# Allegro board MCU-OLD.brd
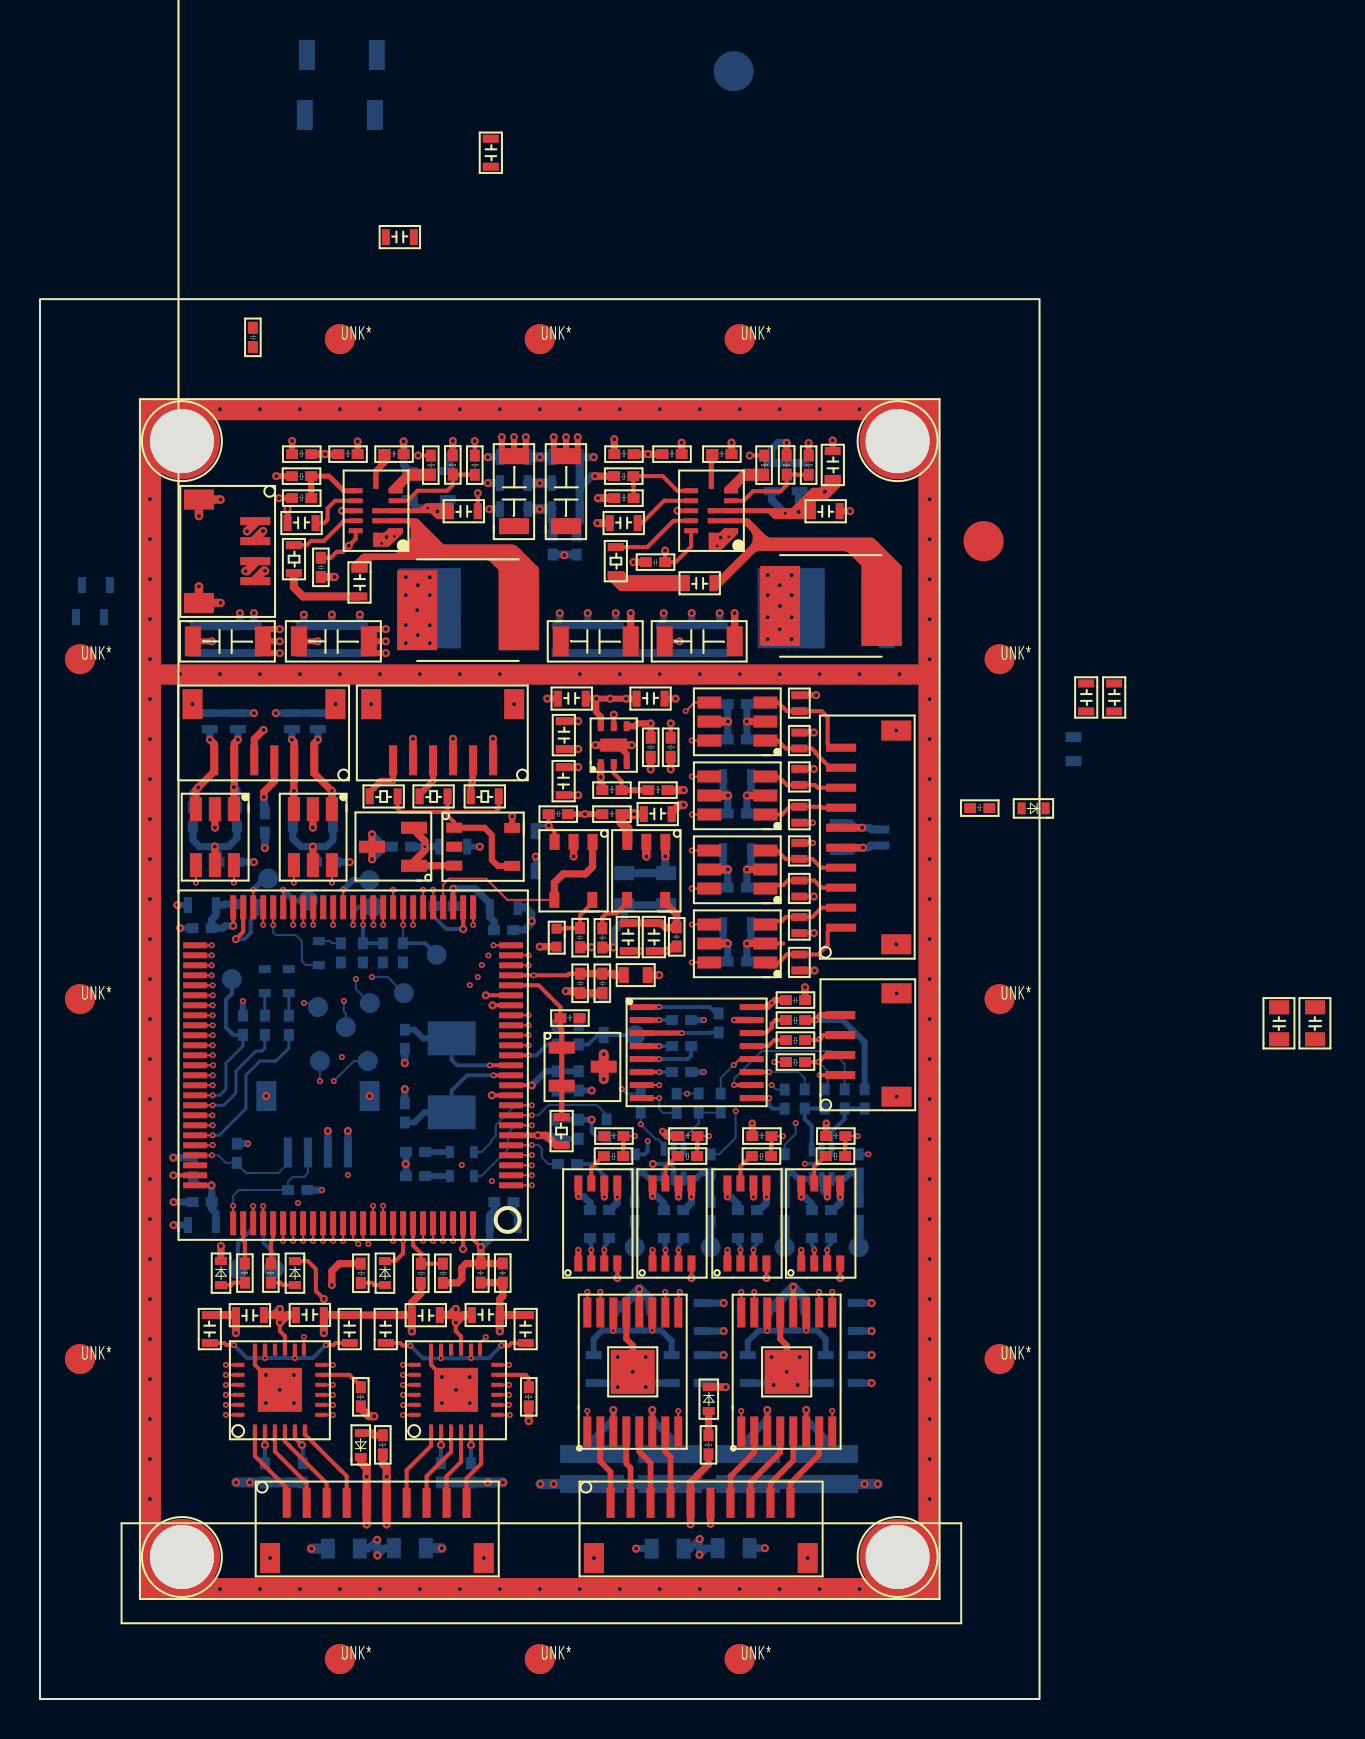
[diagram p0: board, top side]
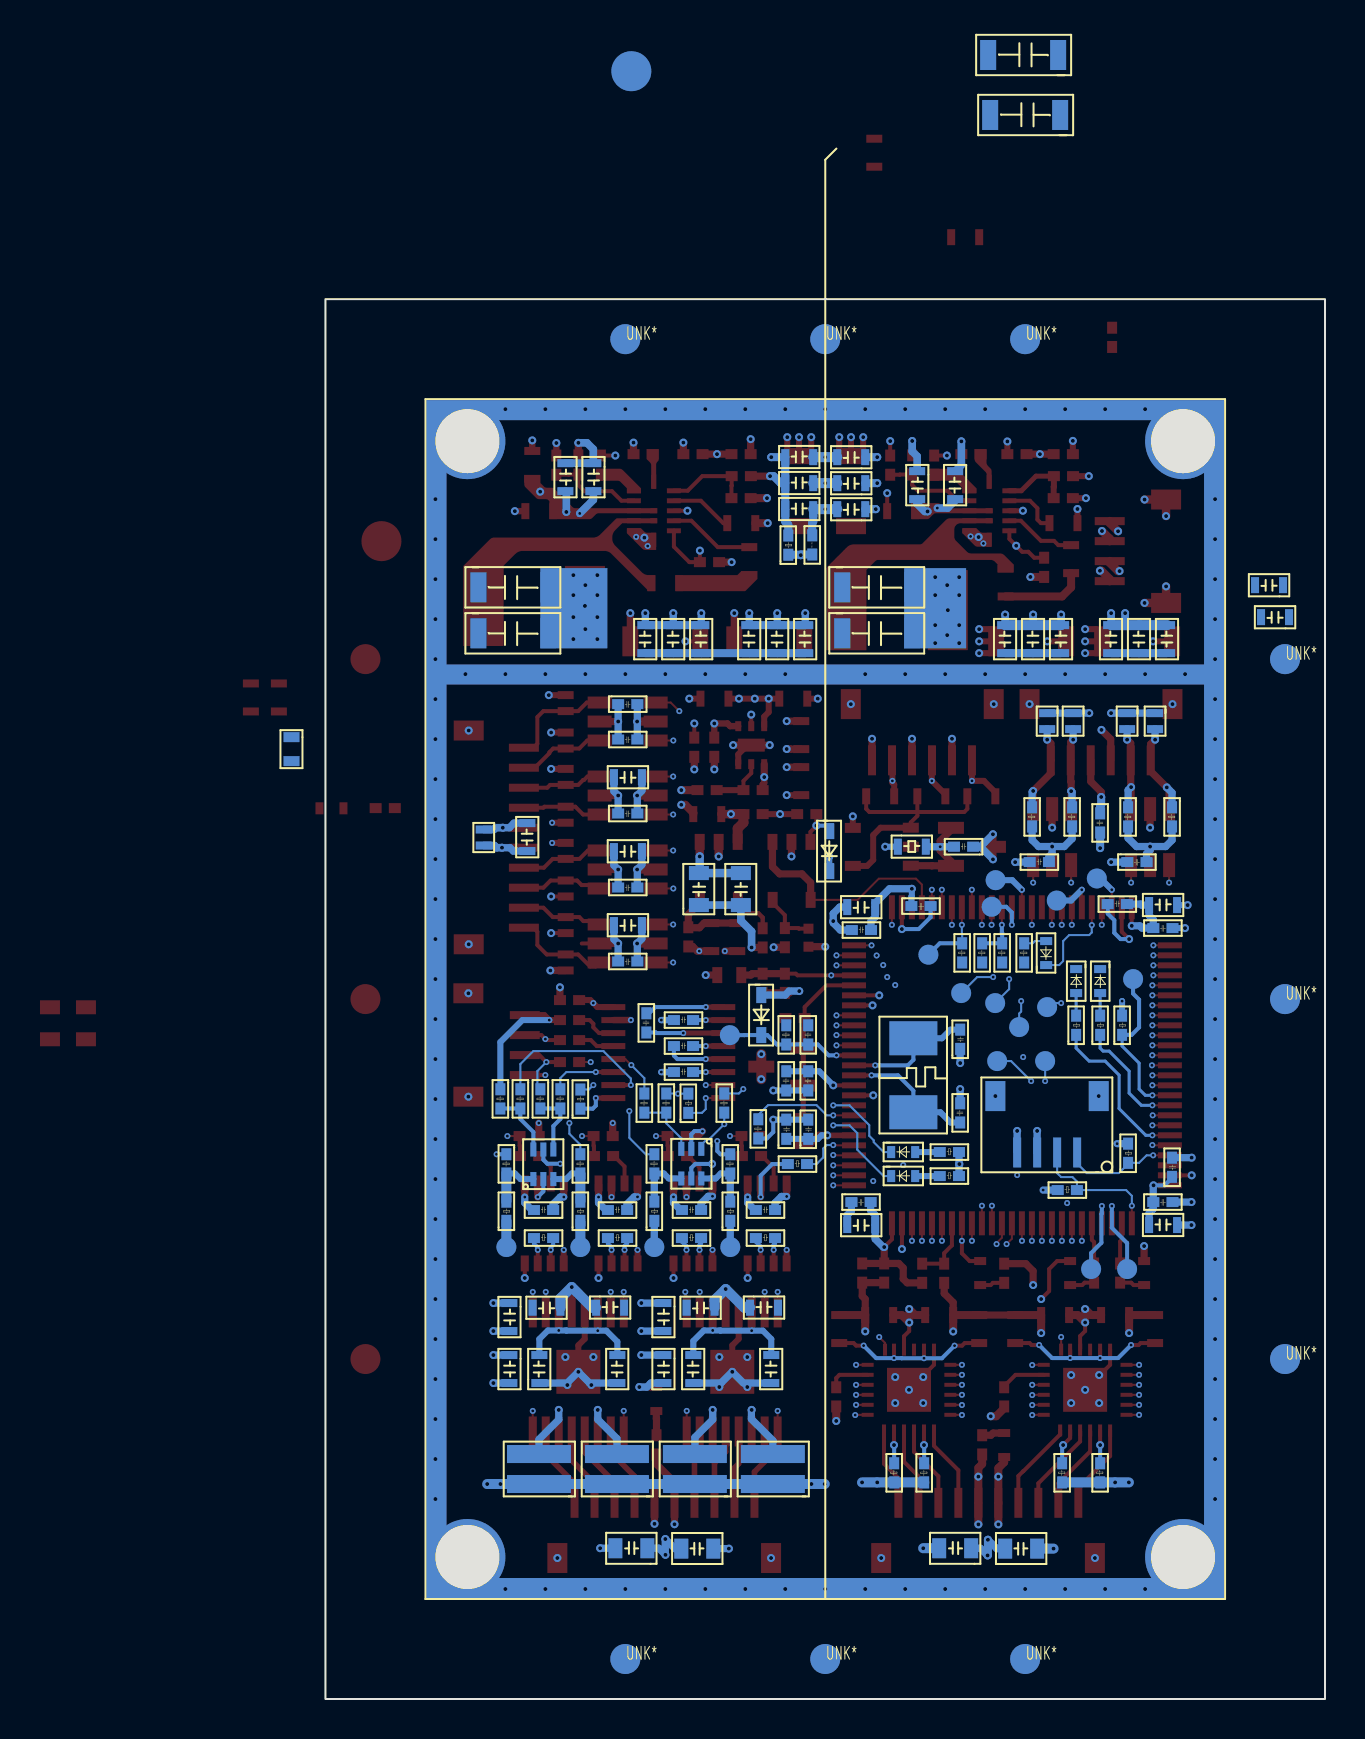
[diagram p1: board, bottom side, seen from below]

Outline 50 x 70 mm; copper layers: TOP, GND-L2, SIGNAL-L3, SIGNAL-L4, GND-L5, PWR-L6, SIGNAL-L7, SIGNAL-L8, GND-L9, BOTTOM. Coordinates in mm from the lower left corner of the outline.
Outline path: rectangle 0,0 50,70

## Design rules (mm)
constraint set DEFAULT: min track width 0.1
net group M1_I_ADC: nets M1_I_ADC N10404
net group M2_I_ADC: nets M2_I_ADC N11136
net group M3_I_ADC: nets M3_I_ADC N28759
net group M4_I_ADC: nets M4_I_ADC N28731
net group MCU_LED1: nets MCU_LED1 N7936310
net group MCU_LED2: nets MCU_LED2 N7936621
net group MCU_LED3: nets MCU_LED3 N7936920
net group MCU_LED4: nets MCU_LED4 N7937230
net group MG8: nets M4_PWM+ M4_PWM-
net group MG9: nets M3_PWM+ M3_PWM-
net group MG10: nets M2_PWM+ M2_PWM-
net group MG11: nets M1_PWM+ M1_PWM-
net group N07800: nets N07800 N07815
net group N08892: nets N08892 N08904
net group N28299: nets N28299 N28303
net group N28307: nets N28307 N28311
net group N7119824: nets N7119824 N7119964
net group N7119928: nets N7119928 N7120000
net group N8196950: nets N8196950 N8196956
net group N8197004: nets N8197004 N8197018
net group N8197074: nets N8197074 N8197078
net group N8197176: nets N8197176 N8197194
net group 232_TXD: nets 232_TXD N7132401 N7303091 N7304159
net group LASER_TXD: nets LASER_TXD N7132405 N7132819 N7303177
net group MCU_UART3_RXD: nets MCU_UART3_RXD N7120840 N7301618
net group MCU_UART3_TXD: nets MCU_UART3_TXD N7120004 N7120715
net group MCU_UART4_RXD: nets MCU_UART4_RXD N7121019 N7301693
net group MCU_UART4_TXD: nets MCU_UART4_TXD N7121024 N7301681
net group MG12: nets MCU_SPI2_MISO MCU_SPI2_MOSI MCU_SPI2_NSS MCU_SPI2_SCK
net group PHY_UART_RX1: nets N7132397 N7303129 N7304177 PHY_UART_RX1
net group PT100-1: nets N57288 PT100-1 PT100-2 PT100-3
net group TTL_TXD: nets N7132409 N7132815 N7303150 TTL_TXD

## Placement (name value [footprint] x y rotation side)
C61  22uF/50V  [C1206]  27.1 58.8 90 top
C62  22uF/50V  [C1206]  13.4 80 0 bottom
C63  22uF/50V  [C1206]  24.5 58.8 90 top
C64  22uF/50V  [C1206]  13.5 83 0 bottom
C69  15nF  [C0402]  34.6 62.5 180 top
C70  15nF  [C0402]  18.2 62.5 180 top
C75  100pF/25V  [C0603]  28.4 58.4 0 top
C76  150pF/25V  [C0603]  12.28 58.4 0 top
C79  0.1uF  [C0603]  18.1 59.9 90 bottom
C80  0.1uF  [C0402]  10.9 67.6 90 top
C84  1uF/10V  [C0402]  30.3 56.6 0 top
C85  1uF/10V  [C0402]  14.3 56.1 90 top
C88  0.1uF  [C0603]  33.8 56.2 180 top
C89  0.1uF  [C0603]  15.58 56.63 270 top
C103  22uF/25V  [C1206]  26.2 52.1 0 top
C104  22uF/25V  [C1206]  7.8 52.1 0 top
C115  22uF/25V  [C1206]  31.4 52.1 0 top
C116  0.1uF/25V  [C0603]  14.2 52.2 90 bottom
C117  22uF/25V  [C1206]  13.1 52.1 0 top
C124  22uF/25V  [C1206]  24 52.5 180 bottom
C126  0.1uF/25V  [C0603]  53.33 50.88 270 top
C127  0.1uF/25V  [C0603]  22.15 78.12 270 top
C130  0.1uF  [C0603]  29.74 49.62 0 top
C131  0.1uF  [C0603]  17.2 72.7 0 top
C132  0.1uF  [C0603]  2 56.1 0 bottom
C136  0.1uF  [C0402]  8.6 24.6 180 bottom
C137  10uF  [C0603]  8.9 23.3 180 bottom
C138  0.1uF  [C0402]  8.6 38.3 180 bottom
C139  1uF  [C0603]  29 38.9 270 top
C141  0.1uF  [C0402]  27.27 35.3 90 top
C142  0.1uF  [C0402]  28.38 35.3 90 top
C153  0.1uF  [C0402]  22.9 21.79 270 top
C154  0.1uF  [C0402]  26.41 44.5 180 top
C155  1uF  [C0603]  30.1 43.85 0 top
C156  10uF  [C0603]  8.9 39.3 180 bottom
C157  0.01uF  [C0402]  28.38 37.57 90 top
C158  0.1uF  [C0402]  9.9 40 0 bottom
C159  1uF  [C0603]  30.3 38.9 270 top
C160  0.1uF  [C0402]  29.1 44.5 180 top
C161  10uF  [C0603]  22.4 40 0 bottom
C162  0.1uF  [C0402]  31.6 38.6 270 top
C163  0.1uF  [C0402]  26.77 38.56 270 top
C166  2.2uF  [C0603]  31.2 15.7 90 bottom
C167  2.2uF  [C0603]  27.3 15.7 90 bottom
C168  0.1uF  [C0402]  22.7 38.7 0 bottom
C169  2.2uF  [C0603]  35 15.7 90 bottom
C170  2.2uF  [C0603]  38.9 15.7 90 bottom
C174  10uF  [C0603]  20.1 19.6 180 top
C176  0.1uF  [C0402]  25.6 28 90 bottom
C177  0.1uF  [C0603]  21.5 18.8 0 top
C178  0.1uF  [C0603]  33.5 19.9 270 bottom
C179  4.7uF  [C0603]  28.86 19.17 180 bottom
C180  4.7uF  [C0603]  36.56 19.17 180 bottom
C181  0.1uF  [C0603]  41.2 19.9 270 bottom
C185  2.2uF  [C0603]  17.7 17.7 90 top
C187  4.7uF  [C0603]  33.5 17.3 270 bottom
C188  4.7uF  [C0603]  41.2 17.3 270 bottom
C189  10uF  [C0603]  22.4 24.1 0 bottom
C190  2.2uF  [C0603]  24.7 17.7 90 top
C194  0.1uF  [C0603]  30.43 19.97 0 bottom
C196  0.1uF  [C0603]  38.14 19.97 0 bottom
C203  0.1uF  [C0402]  26.1 31.4 270 bottom
C364  0.1uF/50V  [C0603]  37 61.9 270 bottom
C365  0.1uF/50V  [C0603]  39.26 62.51 270 top
C366  0.1uF/50V  [C0603]  40.1 59.8 180 top
C370  0.1uF/25V  [C0603]  22.9 61.2 0 bottom
C371  0.1uF/25V  [C0603]  22.9 62.5 0 bottom
C372  0.1uF/25V  [C0603]  22.9 59.9 0 bottom
C373  0.1uF/25V  [C0603]  27.1 60.4 180 bottom
C374  0.1uF/25V  [C0603]  27.1 61.7 180 bottom
C375  0.1uF/25V  [C0603]  27.1 59.1 180 bottom
C385  0.1uF/50V  [C0603]  38.4 61.9 270 bottom
C386  0.1uF/50V  [C0603]  20.8 61.5 270 bottom
C387  0.1uF/50V  [C0603]  22 59.8 180 top
C413  0.1uF/25V  [C0603]  10.3 52.2 90 bottom
C416  0.1uF/25V  [C0603]  27 52.2 90 bottom
C422  0.1uF/25V  [C0603]  7.5 52.2 90 bottom
C423  0.1uF/25V  [C0603]  25.6 52.2 90 bottom
C427  0.1uF/25V  [C0603]  28.4 52.2 90 bottom
C429  0.1uF/25V  [C0603]  1.7 54.5 0 bottom
C435  0.1uF/25V  [C0603]  33.6 52.2 90 bottom
C436  0.1uF/25V  [C0603]  32.2 52.2 90 bottom
C437  0.1uF/25V  [C0603]  30.8 52.2 90 bottom
C441  0.1uF/25V  [C0603]  15.6 52.2 90 bottom
C442  0.1uF/25V  [C0603]  12.8 52.2 90 bottom
C443  0.1uF/25V  [C0603]  8.9 52.2 90 bottom
C460  0.1uF  [C0402]  23.7 24.6 180 bottom
C461  10uF  [C0603]  51.93 50.88 270 top
C466  10uF  [C0603]  25.8 49.62 0 top
C472  0.1uF  [C0402]  17.59 42.87 0 bottom
C479  0.1uF  [C0402]  21.8 21.79 270 top
C487  0.1uF  [C0402]  27 34.3 180 top
C488  10uF  [C0603]  26.6 45.1 90 top
C492  10uF  [C0805]  64.4 32.79 90 top
C493  10uF  [C0805]  62.6 32.79 90 top
C494  10uF  [C0805]  28.6 39.5 90 bottom
C495  10uF  [C0805]  30.7 39.5 90 bottom
C503  10uF  [C0603]  25.8 49 270 top
C504  0.1uF  [C0402]  26.1 33.7 270 bottom
C513  22pF  [C0402]  18 32.5 90 bottom
C515  0.1uF  [C0402]  35.37 49.5 180 bottom
C525  0.1uF  [C0402]  27.2 31.4 270 bottom
C527  22pF  [C0402]  18.5 29.8 270 bottom
C532  0.1uF  [C0402]  26.7 28 90 bottom
C539  0.1uF  [C0402]  11.5 44.3 270 bottom
C546  0.1uF  [C0402]  20.7 39.4 180 bottom
C553  0.1uF  [C0402]  13.8 42.1 0 bottom
C566  0.1uF  [C0402]  27.5 24.7 0 bottom
C567  0.1uF  [C0402]  29.2 28.4 180 top
C568  0.1uF  [C0402]  38.6 24.7 0 bottom
C569  0.1uF  [C0402]  40.3 28.4 180 top
C570  0.1uF  [C0402]  34.9 24.7 0 bottom
C571  0.1uF  [C0402]  36.6 28.4 180 top
C572  0.1uF  [C0402]  31.2 24.7 0 bottom
C573  0.1uF  [C0402]  7.4 26.1 90 bottom
C574  0.1uF  [C0402]  32.9 28.4 180 top
C590  10uF  [C0603]  11.3 19.6 180 top
C591  0.1uF  [C0402]  37.3 34.7 0 top
C592  0.1uF  [C0603]  12.7 18.8 0 top
C594  2.2uF  [C0603]  15.9 17.7 90 top
C595  2.2uF  [C0603]  8.9 17.7 90 top
C596  0.1uF  [C0402]  34.2 34.3 270 bottom
C600  0.1uF  [C0402]  35.37 47.73 180 bottom
C601  0.1uF  [C0402]  31.6 32.9 0 bottom
C603  0.1uF  [C0402]  35.37 36.63 180 bottom
C606  0.1uF  [C0402]  9.9 41.6 180 bottom
C607  0.1uF  [C0402]  31.6 34.2 0 bottom
C609  0.1uF  [C0402]  35.37 44.03 180 bottom
C610  0.1uF  [C0402]  35.37 40.33 180 bottom
C611  0.1uF  [C0402]  31.6 31.6 0 bottom
C642  22uF  [C0805]  32.4 6.9 180 bottom
C643  22uF  [C0805]  16.2 6.9 180 bottom
C644  10uF  [C0603]  39.5 42.3 90 bottom
C645  10uF  [C0603]  34.07 46.5 0 bottom
C646  10uF  [C0603]  34.07 42.8 0 bottom
C647  10uF  [C0603]  34.07 39.1 0 bottom
C648  22uF  [C0805]  17.5 8.16 0 bottom
C649  22uF  [C0805]  33.7 8.16 0 bottom
C650  22uF/25V  [C1206]  24 54.8 180 bottom
C651  22uF/25V  [C1206]  42.2 52.5 180 bottom
C652  22uF/25V  [C1206]  42.2 54.8 180 bottom
D14  LED  [LED0402]  11.5 36.4 270 bottom
D15  LED  [LED0402]  12.7 36.4 270 bottom
D16  LED  [LED0402]  12.5 21.8 270 top
D17  LED  [LED0402]  8.8 21.8 270 top
D18  1N4148WT  [SOD-523F]  24.8 43.4 180 bottom
D19  LED  [LED0402]  13.7 36.8 90 bottom
D20  LED  [LED0402]  21.6 25.9 180 bottom
D21  LED  [LED0402]  21.6 27.1 180 bottom
D22  ESD5451X  [DF1006]  8.8 49.4 270 bottom
D24  ESD5451X  [DF1006]  42.38 43.58 270 bottom
D25  ESD5451X  [DF1006]  10.2 49.4 270 bottom
D40  1N4148WT  [SOD-523F]  28.2 35.2 180 bottom
D41  BLUE  [LED0402]  50.2 44.79 180 top
D42  BLUE  [LED0402]  33.2 15.5 270 top
D43  LED  [LED0402]  17 21.8 270 top
D44  ESD5451X  [DF1006]  38.28 43.72 90 top
D45  ESD5451X  [DF1006]  37.68 46.61 270 top
D47  ESD5451X  [DF1006]  37.68 48.43 270 top
D48  ESD5451X  [DF1006]  37.68 50.3 270 top
D49  ESD5451X  [DF1006]  38.28 36.33 90 top
D50  ESD5451X  [DF1006]  38.28 38.2 90 top
D52  ESD5451X  [DF1006]  38.28 40.03 90 top
D53  ESD5451X  [DF1006]  37.68 42.91 270 top
D54  ESD5451X  [DF1006]  12.9 49.4 270 bottom
D55  ESD5451X  [DF1006]  14.2 49.4 270 bottom
D56  BLUE  [LED0402]  16.3 12.2 90 top
J7  HEADER1x6  [SH1D0-SMD-VER-6P]  24.14 50.4 180 top
J14  HEADER-1X10  [SH1D0-SMD-VER-10P]  43.48 37.33 90 top
J15  HEADER1x6  [SH1D0-SMD-VER-6P]  15.2 50.4 180 top
J16  HEADER-1X4  [SH1D0-SMD-VER-4P]  7.3 60.4 270 top
J18  HEADER-1X10  [SH1D0-SMD-VER-10P]  11.1 6.4 0 top
J19  HEADER-1X10  [SH1D0-SMD-VER-10P]  27.3 6.4 0 top
J20  HEADER-1X4  [SH1D0-SMD-VER-4P]  10.9 30.8 0 bottom
J21  HEADER-1X4  [SH1D0-SMD-VER-4P]  43.5 29.7 90 top
L7  4.7uH/2A  [CD54-IND-2P]  42.1 57.2 180 top
L8  4.7uH/2A  [CD54-IND-2P]  23.95 56.99 180 top
L13  BLM18SP102SN1D  [FB0603]  52.1 48.3 270 bottom
L17  BLM18SP102SN1D  [FB0603]  30.6 36.6 180 top
L20  MPZ1005D330ET000  [FB0402]  25.6 38.57 270 top
NOREF  -  []  37.42 36.49 90 top
NOREF#2  -  []  34.78 34.89 90 top
NOREF#3  -  []  37.92 60.12 0 top
NOREF#4  -  []  29.4 52.1 90 top
NOREF#5  -  []  18.37 61.08 0 top
NOREF#6  -  []  11.2 49.4 90 top
NOREF#7  -  []  16.61 42.61 0 top
NOREF#8  -  []  10.5 21.32 0 top
NOREF#9  -  []  24.14 54.4 0 top
NOREF#10  -  []  66.4 32.79 90 top
NOREF#11  -  []  10.4 32.11 0 top
NOREF#12  -  []  27.1 60.4 0 top
NOREF#13  -  []  15.63 58.88 90 top
NOREF#14  -  []  43.38 43.58 90 top
NOREF#15  -  []  31.15 32.78 0 top
NOREF#16  -  []  30 52.2 90 top
NOREF#17  -  []  28.4 58.51 0 top
NOREF#18  -  []  41.2 18.11 0 top
NOREF#19  -  []  30.1 34.6 0 top
NOREF#20  -  []  28.7 59.1 90 top
NOREF#21  -  []  13.83 24.28 90 top
NOREF#22  -  []  35.08 13.38 0 top
NOREF#23  -  []  8.9 53.01 0 top
NOREF#24  -  []  39.28 40.03 90 top
NOREF#25  -  []  40.6 30.03 90 top
NOREF#26  -  []  32.4 8.15 0 top
NOREF#27  -  []  38.65 26.98 90 top
NOREF#28  -  []  21.47 43.03 0 top
NOREF#29  -  []  40.07 38.57 90 top
NOREF#30  -  []  27.17 32.88 0 top
NOREF#31  -  []  46.5 13.06 90 top
NOREF#32  -  []  38.73 33.56 90 top
NOREF#33  -  []  15.62 37.33 0 top
NOREF#34  -  []  31.27 39.96 90 top
NOREF#35  -  []  29.68 41.29 0 top
NOREF#36  -  []  20.87 39.26 0 top
NOREF#37  -  []  12.7 32.11 0 top
NOREF#38  -  []  30.75 23.28 0 top
NOREF#39  -  []  20.57 47.37 0 top
NOREF#40  -  []  24.7 15.13 0 top
NOREF#41  -  []  29.63 26.76 90 top
NOREF#42  -  []  17.4 12.73 0 top
NOREF#43  -  []  24 49.3 90 top
NOREF#44  -  []  12.6 11.33 90 top
NOREF#45  -  []  22.4 40.81 0 top
NOREF#46  -  []  37.6 61.73 0 top
NOREF#47  -  []  30.6 38.9 90 top
NOREF#48  -  []  33.42 33.83 0 top
NOREF#49  -  []  34.07 47.31 0 top
NOREF#50  -  []  17.85 24.98 0 top
NOREF#51  -  []  24.13 37.28 90 top
NOREF#52  -  []  29.37 26.98 0 top
NOREF#53  -  []  42.35 26.98 90 top
NOREF#54  -  []  38.68 42.91 90 top
NOREF#55  -  []  29.27 44.28 0 top
NOREF#56  -  []  31.34 49.62 90 top
NOREF#57  -  []  13.35 40.68 0 top
NOREF#58  -  []  32.63 21.88 90 top
NOREF#59  -  []  28.9 15.7 90 top
NOREF#60  -  []  54.93 50.88 90 top
NOREF#61  -  []  31.15 43.08 90 top
NOREF#62  -  []  24.5 61.2 90 top
NOREF#63  -  []  28.54 9.81 0 top
NOREF#64  -  []  28.7 39.5 90 top
NOREF#65  -  []  27.75 26.76 0 top
NOREF#66  -  []  33.98 28.21 90 top
NOREF#67  -  []  40.73 26.76 90 top
NOREF#68  -  []  33.7 9.41 0 top
NOREF#69  -  []  20.4 19.71 90 top
NOREF#70  -  []  39.74 19.97 90 top
NOREF#71  -  []  10.08 42.87 90 top
NOREF#72  -  []  39.28 38.2 90 top
NOREF#73  -  []  39.38 22.81 90 top
NOREF#74  -  []  32.03 19.97 90 top
NOREF#75  -  []  28.7 60.4 90 top
NOREF#76  -  []  33.45 44.28 90 top
NOREF#77  -  []  37.68 47.21 0 top
NOREF#78  -  []  39.5 43.11 0 top
NOREF#79  -  []  12.9 50 0 top
NOREF#80  -  []  10.1 25.71 0 top
NOREF#81  -  []  24.65 45.54 90 top
NOREF#82  -  []  42.2 56.4 0 top
NOREF#83  -  []  37.66 63.32 90 top
NOREF#84  -  []  35.68 48.4 0 top
NOREF#85  -  []  17.95 61.08 90 top
NOREF#86  -  []  14.02 60.76 90 top
NOREF#87  -  []  23.05 46.35 0 top
NOREF#88  -  []  38.6 61.9 90 top
NOREF#89  -  []  22.1 36.7 0 top
NOREF#90  -  []  31.02 46.01 0 top
NOREF#91  -  []  11.95 41.46 90 top
NOREF#92  -  []  30.1 32.65 90 top
NOREF#93  -  []  14.2 53.01 0 top
NOREF#94  -  []  33.69 12.73 0 top
NOREF#95  -  []  13.75 58.88 0 top
NOREF#96  -  []  27.05 21.88 0 top
NOREF#97  -  []  42.38 44.18 0 top
NOREF#98  -  []  29.22 26.78 0 top
NOREF#99  -  []  39.28 43.72 90 top
NOREF#100  -  []  28.26 60.76 0 top
NOREF#101  -  []  40.42 26.78 0 top
NOREF#102  -  []  30.46 19.17 90 top
NOREF#103  -  []  36.96 21.2 90 top
NOREF#104  -  []  12.7 19.61 0 top
NOREF#105  -  []  32.54 29.3 0 top
NOREF#106  -  []  38.85 26.76 0 top
NOREF#107  -  []  31.15 31.48 0 top
NOREF#108  -  []  27.2 52.2 90 top
NOREF#109  -  []  38.68 48.43 90 top
NOREF#110  -  []  14.77 58.23 0 top
NOREF#111  -  []  26.1 30.67 0 top
NOREF#112  -  []  38.68 46.61 90 top
NOREF#113  -  []  10.07 41.46 0 top
NOREF#114  -  []  19.62 19.71 0 top
NOREF#115  -  []  36.33 23.28 90 top
NOREF#116  -  []  35.68 22.81 90 top
NOREF#117  -  []  14.05 17.51 0 top
NOREF#118  -  []  33.02 26.78 0 top
NOREF#119  -  []  31.4 53.7 0 top
NOREF#120  -  []  12.9 19.6 90 top
NOREF#121  -  []  9.78 25.01 90 top
NOREF#122  -  []  7.8 53.7 0 top
NOREF#123  -  []  13.38 32.11 90 top
NOREF#124  -  []  19.02 60.12 0 top
NOREF#125  -  []  36.85 33.56 0 top
NOREF#126  -  []  31.57 44.28 0 top
NOREF#127  -  []  37.7 15.1 0 top
NOREF#128  -  []  37.42 40.19 90 top
NOREF#129  -  []  37.03 26.76 90 top
NOREF#130  -  []  17.85 26.18 0 top
NOREF#131  -  []  27.7 58.8 90 top
NOREF#132  -  []  28.86 19.98 0 top
NOREF#133  -  []  22.75 39.26 90 top
NOREF#134  -  []  32.2 26.03 90 top
NOREF#135  -  []  40.1 61.4 0 top
NOREF#136  -  []  35.54 36.49 0 top
NOREF#137  -  []  26.58 15.13 90 top
NOREF#138  -  []  8.52 67.29 90 top
NOREF#139  -  []  27.1 33.7 90 top
NOREF#140  -  []  26.6 40.75 0 top
NOREF#141  -  []  26.3 17.7 90 top
NOREF#142  -  []  34.45 23.28 0 top
NOREF#143  -  []  39.9 18.16 0 top
NOREF#144  -  []  38.4 7.05 90 top
NOREF#145  -  []  29.74 50.43 0 top
NOREF#146  -  []  27.98 26.91 90 top
NOREF#147  -  []  11.8 21.32 0 top
NOREF#148  -  []  27.4 49 90 top
NOREF#149  -  []  38.28 38.8 0 top
NOREF#150  -  []  23.1 60.12 90 top
NOREF#151  -  []  28.7 61.7 90 top
NOREF#152  -  []  14.58 32.11 90 top
NOREF#153  -  []  28.02 55.16 90 top
NOREF#154  -  []  19.52 11.33 0 top
NOREF#155  -  []  26.04 56.77 90 top
NOREF#156  -  []  41.6 30.03 90 top
NOREF#157  -  []  32.63 23.28 90 top
NOREF#158  -  []  26.2 53.7 0 top
NOREF#159  -  []  10.2 50 0 top
NOREF#160  -  []  30 22.81 0 top
NOREF#161  -  []  20.9 61.73 0 top
NOREF#162  -  []  37.68 43.51 0 top
NOREF#163  -  []  22.9 62.01 0 top
NOREF#164  -  []  21.22 60.12 0 top
NOREF#165  -  []  25.32 30.93 0 top
NOREF#166  -  []  13.68 21.32 90 top
NOREF#167  -  []  35.4 29.82 90 top
NOREF#168  -  []  39.6 30.03 90 top
NOREF#169  -  []  18.52 19.71 0 top
NOREF#170  -  []  12.28 59.21 0 top
NOREF#171  -  []  11.5 32.11 0 top
NOREF#172  -  []  11 52.1 90 top
NOREF#173  -  []  11.9 52.2 90 top
NOREF#174  -  []  28.93 23.28 90 top
NOREF#175  -  []  35.2 52.2 90 top
NOREF#176  -  []  32.2 53.01 0 top
NOREF#177  -  []  25.6 39.07 0 top
NOREF#178  -  []  -0.4 2.4 0 top
NOREF#179  -  []  33.98 38.13 90 top
NOREF#180  -  []  19.3 17.7 90 top
NOREF#181  -  []  21.7 19.6 90 top
NOREF#182  -  []  22.88 14.21 90 top
NOREF#183  -  []  26.6 39.5 90 top
NOREF#184  -  []  27.82 28.53 0 top
NOREF#185  -  []  38.73 34.56 90 top
NOREF#186  -  []  19.73 26.18 90 top
NOREF#187  -  []  25.6 53.01 0 top
NOREF#188  -  []  24 56.4 0 top
NOREF#189  -  []  33.76 26.35 0 top
NOREF#190  -  []  26.5 28.41 0 top
NOREF#191  -  []  15.66 31.69 90 top
NOREF#192  -  []  15.63 61.08 90 top
NOREF#193  -  []  27.6 36.48 0 top
NOREF#194  -  []  39.8 60.12 90 top
NOREF#195  -  []  38.15 21.88 0 top
NOREF#196  -  []  0.1 55.31 0 top
NOREF#197  -  []  54.98 37.33 90 top
NOREF#198  -  []  30 58.4 90 top
NOREF#199  -  []  28.4 53.01 0 top
NOREF#200  -  []  22.9 63.31 0 top
NOREF#201  -  []  15.8 52.2 90 top
NOREF#202  -  []  41.1 42.3 90 top
NOREF#203  -  []  36.77 26.98 0 top
NOREF#204  -  []  23.75 78.12 90 top
NOREF#205  -  []  27.05 23.28 0 top
NOREF#206  -  []  10.2 80 90 top
NOREF#207  -  []  0.1 54.5 90 top
NOREF#208  -  []  28.2 33.2 90 top
NOREF#209  -  []  28.1 27.6 90 top
NOREF#210  -  []  42.8 19.9 90 top
NOREF#211  -  []  30.3 58.8 90 top
NOREF#212  -  []  21.4 11.33 90 top
NOREF#213  -  []  -1.04 48.39 0 top
NOREF#214  -  []  32.1 38.13 0 top
NOREF#215  -  []  20.49 46.35 0 top
NOREF#216  -  []  -0.4 2.4 90 top
NOREF#217  -  []  40.5 15.7 90 top
NOREF#218  -  []  10.75 13.43 0 top
NOREF#219  -  []  31.15 30.18 0 top
NOREF#220  -  []  34.24 27.6 90 top
NOREF#221  -  []  33.03 30.18 90 top
NOREF#222  -  []  29.52 29.82 0 top
NOREF#223  -  []  30.6 37.4 0 top
NOREF#224  -  []  28.6 52.2 90 top
NOREF#225  -  []  62.6 34.04 0 top
NOREF#226  -  []  38.72 30.03 0 top
NOREF#227  -  []  10.72 11.33 0 top
NOREF#228  -  []  20.8 62.31 0 top
NOREF#229  -  []  23.67 44.17 90 top
NOREF#230  -  []  40 61.9 90 top
NOREF#231  -  []  32.2 18.16 0 top
NOREF#232  -  []  38.26 27.61 0 top
NOREF#233  -  []  29 39.71 0 top
NOREF#234  -  []  22 61.4 0 top
NOREF#235  -  []  25.28 21.32 90 top
NOREF#236  -  []  29.2 12.7 90 top
NOREF#237  -  []  17.2 52.2 90 top
NOREF#238  -  []  51.93 51.69 0 top
NOREF#239  -  []  34.6 52.1 90 top
NOREF#240  -  []  37.66 62.51 90 top
NOREF#241  -  []  37.42 47.59 90 top
NOREF#242  -  []  11.33 38.58 90 top
NOREF#243  -  []  22.09 45.54 90 top
NOREF#244  -  []  52.1 49.1 0 top
NOREF#245  -  []  18.5 37.33 90 top
NOREF#246  -  []  22.4 61.5 90 top
NOREF#247  -  []  35.57 12.73 90 top
NOREF#248  -  []  32.2 36.6 90 top
NOREF#249  -  []  5 5 0 top
NOREF#250  -  []  35.54 43.89 0 top
NOREF#251  -  []  42.6 30.03 90 top
NOREF#252  -  []  35.1 17.3 90 top
NOREF#253  -  []  37 62.71 0 top
NOREF#254  -  []  32.28 61.08 0 top
NOREF#255  -  []  10.5 23.3 90 top
NOREF#256  -  []  27.3 10.4 0 top
NOREF#257  -  []  39.72 30.03 0 top
NOREF#258  -  []  35 16.51 0 top
NOREF#259  -  []  26.1 30.67 90 top
NOREF#260  -  []  29.48 34.21 90 top
NOREF#261  -  []  32.1 28.21 0 top
NOREF#262  -  []  29.5 21.2 90 top
NOREF#263  -  []  38.68 50.3 90 top
NOREF#264  -  []  31.15 44.28 90 top
NOREF#265  -  []  31.75 61.08 90 top
NOREF#266  -  []  9.1 52.2 90 top
NOREF#267  -  []  34.16 61.08 90 top
NOREF#268  -  []  37.5 22.81 0 top
NOREF#269  -  []  9 44.13 90 top
NOREF#270  -  []  41.2 22.81 0 top
NOREF#271  -  []  17.62 37.33 0 top
NOREF#272  -  []  53.33 51.69 0 top
NOREF#273  -  []  31.75 58.88 90 top
NOREF#274  -  []  18.1 60.71 0 top
NOREF#275  -  []  25.8 33.14 0 top
NOREF#276  -  []  39.38 28.42 90 top
NOREF#277  -  []  39.96 25.91 90 top
NOREF#278  -  []  43.48 41.33 0 top
NOREF#279  -  []  35.15 26.76 0 top
NOREF#280  -  []  12.12 44.13 0 top
NOREF#281  -  []  28.3 33.23 90 top
NOREF#282  -  []  22.4 24.91 0 top
NOREF#283  -  []  37.5 28.42 0 top
NOREF#284  -  []  37.57 60.12 90 top
NOREF#285  -  []  38.14 20.78 0 top
NOREF#286  -  []  37.72 30.03 0 top
NOREF#287  -  []  31.93 13.38 90 top
NOREF#288  -  []  26.42 33.23 0 top
NOREF#289  -  []  14.07 14.21 90 top
NOREF#290  -  []  34.9 26.78 90 top
NOREF#291  -  []  33.21 21.2 90 top
NOREF#292  -  []  32.9 46.01 90 top
NOREF#293  -  []  49.55 43.38 90 top
NOREF#294  -  []  42.9 7.1 90 top
NOREF#295  -  []  26.1 26.91 0 top
NOREF#296  -  []  13.9 57.8 90 top
NOREF#297  -  []  19.73 24.98 90 top
NOREF#298  -  []  27 53.01 0 top
NOREF#299  -  []  21.02 11.33 0 top
NOREF#300  -  []  29.08 26.91 90 top
NOREF#301  -  []  30.01 26.35 0 top
NOREF#302  -  []  31.45 26.76 0 top
NOREF#303  -  []  29.87 58.88 0 top
NOREF#304  -  []  29.27 43.08 0 top
NOREF#305  -  []  41.2 20.71 0 top
NOREF#306  -  []  35.4 56.2 90 top
NOREF#307  -  []  11.98 25.71 90 top